# KiCad board Monorail_Steam_Reduced.kicad_pcb (continued)
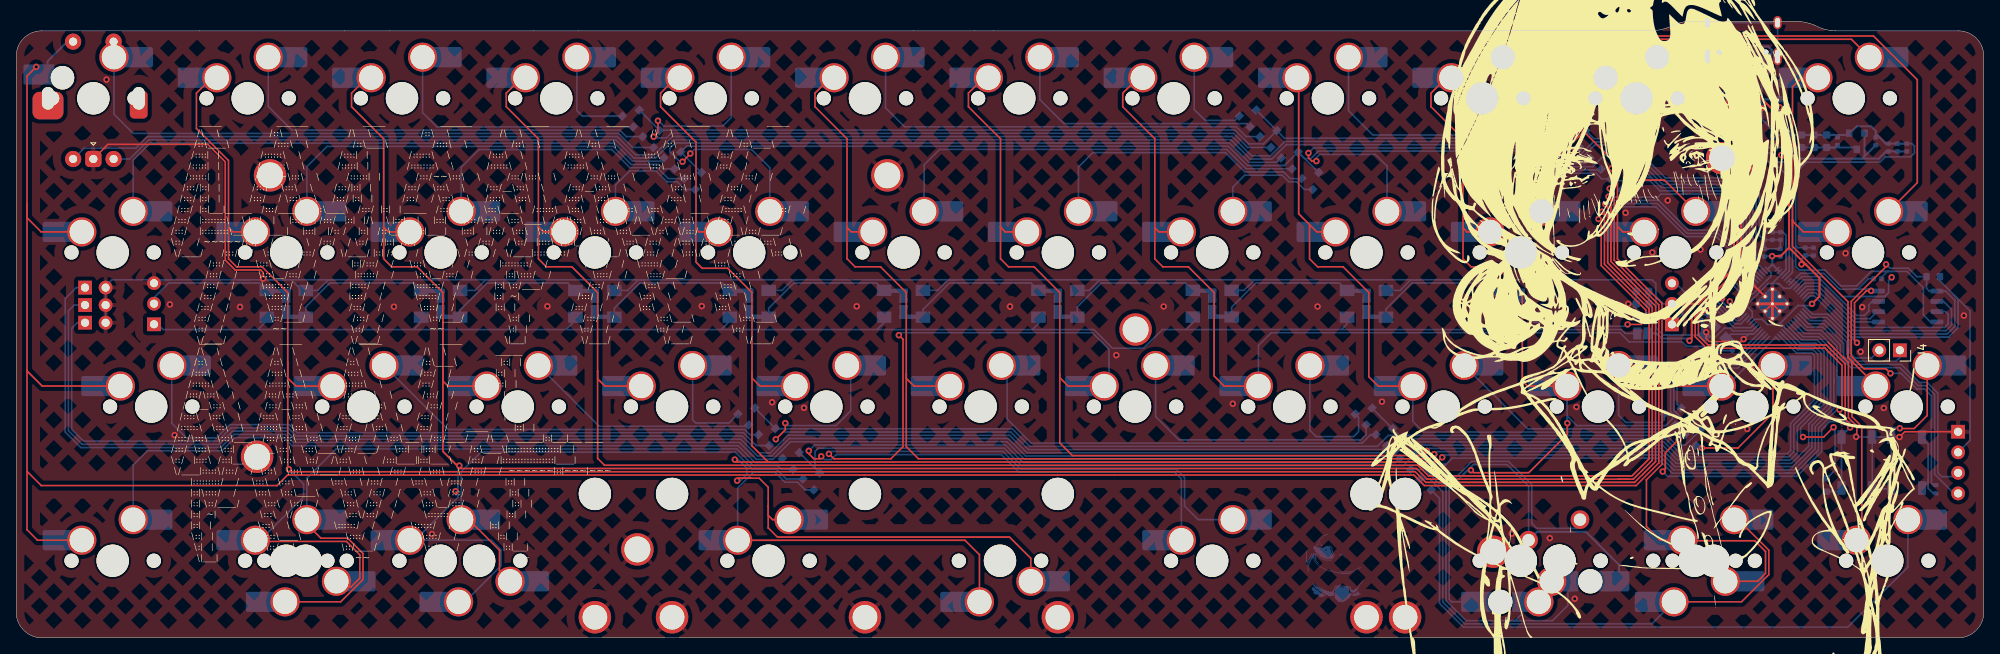
[diagram p0: board, top side]
## Routing (per net, layer and track width the routed paths; a pad name or vN(x,y) marks a point on that pad's centre or on a via; arc(x,y) is an arc through that point) (continued)
+5VD: length 206.3
  Bottom w0.2: 29.86,38.1 23.67,38.1 ; 29.86,38.1 49.06,38.1 ; 29.86,38.1 30.94,39.18 D64.1 ; 23.67,38.1 22.87,38.1 ; 23.67,38.1 18.13,38.1 17.48,38.75 J9.1 ; 49.06,38.1 49.99,39.03 D65.1 ; 49.06,38.1 67.88,38.1 ; D60.1 164.29,38.8 163.59,38.1 ; D63.1 107.14,38.98 106.26,38.1 ; 106.26,38.1 87.03,38.1 ; 106.26,38.1 125.46,38.1 ; D61.1 145.24,38.93 144.41,38.1 ; 163.59,38.1 158.26,38.1 ; 163.59,38.1 182.71,38.1 ; 87.03,38.1 67.88,38.1 ; 87.03,38.1 88.09,39.15 D67.1 ; 190.62,38.1 191.53,38.1 ; 190.62,38.1 198.15,38.1 198.63,37.62 JP1.2 ; 190.62,38.1 182.71,38.1 ; 158.26,38.1 156.22,38.1 ; 158.26,38.1 144.41,38.1 ; D66.1 69.04,39.26 67.88,38.1 ; 182.71,38.1 183.34,38.72 D59.1 ; 125.46,38.1 126.19,38.82 D62.1 ; 125.46,38.1 133.02,38.1 135.33,35.79 139.18,35.79 141.49,38.1 144.41,38.1
GND: length 572.7
  Top w0.2: 225.56,34.64 225.65,34.55 ; 225.56,34.64 223.65,36.55 ; 225.56,34.64 226.17,34.02 226.17,27.2 227.22,26.16 227.22,24.93 v1(227.13,24.84) ; v1(213.24,36.91) 212.96,36.63 208.98,36.63 208.62,36.99 v1(208.62,37.76) ; J8.1 233.13,25.47 v1(232.48,24.82) ; U3.57 U3.57 U3.57 ; SW3.C 11.34,60.99 23.64,60.99 25.81,58.82 25.81,46.67 27.03,45.45 30.18,45.45 30.49,45.14 v1(30.49,44.4)
  Top w0.25: v1(215.46,65.46) 214.94,64.94 214.94,56.72 212.94,54.71 212.94,45.12 U3.57 ; 204.21,41.27 207.65,41.27 212.04,45.67 212.04,55.08 212.61,55.66 ; 212.61,55.66 213.18,56.22 v1(213.18,57.83) ; 212.61,55.66 213.02,56.06
  Top w0.35: U3.57 U3.57 ; U3.57 U3.57
  Bottom w0.2: Y1.4 208.09,37.58 C6.1 ; Y1.4 208.37,37.51 v1(208.62,37.76) ; Y1.4 208.26,37.41 203.3,37.41 202.41,38.3 202.41,42.19 ; 28.75,44.25 27.47,44.25 ; 28.75,44.25 18.92,44.25 ; 28.75,44.25 33.34,44.25 ; 134.79,44.25 153.56,44.25 ; 134.79,44.25 115.94,44.25 ; 134.79,44.25 133.76,44.25 132.45,42.93 D62.3 ; Y1.2 211.52,37.35 211.52,37.35 ; Y1.2 210.85,36.68 210.69,36.68 ; Y1.2 211.7,37.53 214.06,37.53 ; Y1.2 211.73,36.95 C27.2 v1(213.24,36.91) 213.86,37.53 ; U4.4 236.3,39.04 235.42,39.92 235.42,43.26 233.4,45.28 230.19,45.28 ; 115.94,44.25 115.04,44.25 113.73,42.93 D63.3 ; 115.94,44.25 96.33,44.25 ; J6.S1 J6.S1 J6.S1 J6.S1 ; 231.58,45.28 231.01,45.28 ; 231.01,45.28 230.19,45.28 ; 231.01,45.28 230.24,44.52 C28.2 ; 219.66,48.51 219.66,45.89 220.11,45.44 223.3,45.44 225.25,43.48 227.17,43.48 228.97,45.28 230.19,45.28 ; 219.66,48.51 219.66,57.47 220.99,58.79 230.08,58.79 230.73,59.44 233.85,59.44 234.33,59.92 234.33,60.76 234.01,61.07 C21.2 ; 219.66,48.51 219.97,48.21 C25.2 ; 73.84,42.92 75.47,42.92 76.79,44.25 77.66,44.25 ; J9.3 17.43,44.25 18.92,44.25 ; 153.56,44.25 173.32,44.25 ; 153.56,44.25 152.86,44.25 151.56,42.94 D61.3 ; 188.14,42.92 189.46,44.25 190.28,44.25 ; 190.28,44.25 199.08,44.25 ; 190.28,44.25 173.32,44.25 ; 77.66,44.25 59.32,44.25 ; 77.66,44.25 96.33,44.25 ; 229.12,24.71 229.12,18.41 231.46,18.41 231.46,24.71 ; 228.54,24.82 SWR2.1 v1(232.48,24.82) ; 228.54,24.82 227.15,24.82 v1(227.13,24.84) ; 228.54,24.82 SWR1.1 ; 96.33,44.25 95.84,44.25 94.52,42.93 D67.3 ; 199.08,44.25 199.98,43.35 C14.2 C18.2 ; 199.08,44.25 201.92,44.25 202.41,43.76 202.41,42.19 ; C8.2 215.74,49.18 215.18,49.73 215.18,54.97 213.18,56.97 v1(213.18,57.83) ; C8.2 C4.2 C3.2 C7.2 C8.2 ; 173.32,44.25 172.14,44.25 170.82,42.92 169.09,42.92 ; 33.34,44.25 30.65,44.25 v1(30.49,44.4) ; 33.34,44.25 33.97,44.25 ; 214.45,37.53 214.06,37.53 ; 214.45,37.53 213.86,37.53 ; 214.45,37.53 U3.19 ; 214.06,37.53 213.86,37.53 ; 202.41,42.19 203.32,41.27 SWD1.2 ; 59.32,44.25 39.41,44.25 ; 59.32,44.25 57.97,44.25 56.65,42.92 54.79,42.92 ; 18.92,44.25 11.8,44.25 11.04,43.48 J2.2 J1.2 ; 39.41,44.25 38.54,44.25 37.22,42.92 35.29,42.92 33.97,44.25 ; 39.41,44.25 33.97,44.25 ; C13.2 v1(199,41.27)
  Bottom w0.25: 216.28,73.07 209.92,73.07 209.73,72.87 ; 216.28,73.07 216.69,72.66 216.69,71.27 J6.A12 216.35,69.85 215.46,68.95 215.46,66.98 ; 216.28,73.07 217.42,71.93 J6.S1 ; 216.69,62.9 217.44,62.14 217.82,62.14 ; 216.69,62.9 216.96,62.62 C20.2 216.97,62.14 217.82,62.14 ; 216.69,62.9 215.46,64.13 ; 225.26,62.14 226.14,62.14 227.22,63.22 228.97,63.22 229.55,62.64 229.55,62.31 ; 225.26,62.14 226.04,62.14 U2.1 ; 225.26,62.14 C15.2 ; C21.2 C22.2 230.79,61.07 229.55,62.31 ; C15.2 224.53,62.14 C1.2 ; C15.2 C16.2 ; C15.2 217.82,62.14 ; 229.55,62.31 C2.2 ; J6.S1 208.78,71.93 209.73,72.87 ; 215.46,64.13 215.46,64.77 215.46,64.64 ; 215.46,64.13 215.46,66.98 ; 215.46,64.13 215.46,64.64 ; 209.73,72.87 209.51,72.66 209.51,71.27 J6.A1 209.85,67.16 209.24,66.55 R2.1 ; R4.1 215.46,66.55 ; 215.46,66.55 214.63,65.72 U1.2 ; 215.46,66.55 215.46,66.98 ; v1(215.46,65.46) 215.46,64.65 215.46,64.64
  Bottom w0.35: U3.57 U3.57
  vias: v1(11.14,68.99) v1(18.97,41.2) v1(19.55,25.04) v1(27.63,40.89) v1(46.63,40.92) v1(51.33,12.83) v1(65.58,40.97) v1(84.63,41) v1(93.31,29.11) v1(97.25,28.42) v1(103.75,40.97) v1(122.68,40.94) v1(135.81,34.92) v1(141.65,40.94) v1(150.18,28.93) v1(160.65,40.94) v1(168.6,29.18) v1(179.85,40.94) v1(184.62,12.88) v1(189.32,12.32) v1(192.39,4.83) v1(192.6,28.52) v1(196.94,58.01) v1(198.52,31.01) v1(198.67,52.53) v1(200.09,55.8) v1(201.97,47.62) v1(203.87,54.05) v1(207.91,47.98) v1(213.68,25.81) v1(214.29,33.07) v1(225.83,47.52) v1(227.67,35.36) v1(227.88,40.87) v1(230.54,28.4) v1(240.43,39.83)
VCC: length 17
  Top w0.25: v1(210.92,62.92) 211.15,63.15 v1(211.15,65.68) 211.15,69.51 v1(211.13,69.53)
  Bottom w0.25: v1(211.13,69.53) 210.65,70 J6.A4 210.65,71.65 211.49,72.48 214.72,72.48 215.55,71.65 J6.A9 ; F1.2 211.58,62.92 v1(210.92,62.92) ; v1(211.15,65.68) 211.19,65.72 U1.5
COL0: length 365.2
  Top w0.2: MX31.1 3.21,31.11 1.33,32.99 1.33,33.15 ; 202.77,30.73 202.77,21.62 199.96,18.81 175.96,18.81 ; 202.77,30.73 202.77,41.16 197.26,46.67 197.26,54.97 v1(196.71,55.51) ; 202.77,30.73 202.77,31.38 ; 1.33,33.15 1.33,53.7 ; 1.33,33.15 1.33,20.57 ; 1.33,53.7 1.33,69.42 v1(2.48,70.56) ; 1.33,53.7 1.33,51.92 3.09,50.16 MX19.1 ; 1.33,20.57 1.33,13.36 2.63,12.06 MX46.1 ; 1.33,20.57 3.1,18.81 32.19,18.81 33.5,20.12 172.53,20.12 173.84,18.81 175.13,18.81 ; 175.13,18.81 175.64,18.81 ; 175.13,18.81 175.96,18.81 ; 175.96,18.81 176.31,18.81
  Bottom w0.2: v1(196.71,55.51) 197.7,56.5 201.65,56.5 202.91,55.24 212.06,55.24 213.18,54.11 213.18,45.73 U3.37
  Bottom w0.25: MX7.1 3.89,71.26 6.3,73.67 SW3.S2 ; MX7.1 2.48,69.53 v1(2.48,70.56)
COL1: length 334.3
  Top w0.2: 26.21,50.7 26.74,50.16 MX20.1 ; 26.21,50.7 26.21,46.84 27.2,45.85 30.35,45.85 33.52,42.67 33.52,34.09 ; 26.21,50.7 26.21,58.99 22.24,62.95 22.24,67.31 24.15,69.21 MX8.1 ; 196.86,50.93 196.86,54.22 v1(196.56,54.52) ; 196.86,50.93 196.86,46.51 202.37,41 202.37,21.79 199.79,19.21 174.01,19.21 172.69,20.52 33.96,20.52 v1(33.66,20.82) 33.52,20.97 33.52,34.09 ; 196.86,50.93 196.86,51.31 ; 33.52,34.09 33.52,32.11 34.51,31.11 MX32.1 ; MX52.1 29.68,11.91 40.75,11.91 42.42,10.25 42.42,7.38 41.29,6.25 40.26,6.25 MX2.1
  Bottom w0.2: U3.36 212.78,45.56 212.78,53.95 212.25,54.48 ; 212.25,54.48 211.94,54.79 ; 212.25,54.48 211.89,54.84 203.03,54.84 202.66,54.46 196.61,54.46 v1(196.56,54.52) ; MX52.1 30.14,12.06 35.48,17.41 35.48,19.01 v1(33.66,20.82)
COL2: length 313.5
  Top w0.2: 45.36,50.75 45.94,50.16 MX21.1 ; 45.36,50.75 45.36,46.84 46.35,45.85 49.5,45.85 52.67,42.67 52.67,33.32 ; 45.36,50.75 45.36,61.67 41.4,65.63 41.4,67.31 43.3,69.21 43.92,69.21 ; 52.67,33.32 52.67,23.04 ; 52.67,33.32 52.67,31.75 53.31,31.11 MX33.1 ; 52.67,23.04 54.43,21.28 v1(54.7,21.28) ; 52.67,23.04 54.79,20.92 172.86,20.92 174.17,19.61 197.81,19.61 ; 196.46,51.74 196.46,52.37 ; 196.46,51.74 196.46,46.34 201.97,40.83 201.97,21.95 199.63,19.61 197.81,19.61 ; 196.46,51.74 196.46,53.29 v1(196.16,53.59) ; 197.81,19.61 198.96,19.61
  Bottom w0.2: 54.53,19.18 54.53,18.41 54.23,18.12 v1(54.23,18.11) ; 54.53,19.18 54.53,20.68 54.7,20.85 v1(54.7,21.28) ; 54.53,19.18 54.53,17.37 49.22,12.06 MX47.1 58.64,12.06 59.84,10.87 59.84,8.89 55.39,4.44 MX53.2 ; v1(196.16,53.59) 196.63,53.59 197.1,54.06 202.74,54.06 206.43,50.38 210.23,50.38 212.38,48.23 212.38,45.4 U3.35
COL3: length 254.6
  Top w0.2: 64.46,50.8 64.46,46.84 65.45,45.85 68.6,45.85 71.77,42.67 71.77,32.97 ; 64.46,50.8 65.09,50.16 MX22.1 ; 64.46,50.8 64.46,61.67 60.5,65.63 60.5,67.31 62.4,69.21 63.02,69.21 ; MX34.1 72.66,31.11 71.77,32 71.77,32.97 ; 71.77,32.97 71.77,22.17 72.62,21.32 173.02,21.32 174.34,20.01 199.46,20.01 201.57,22.12 201.57,40.66 196.06,46.17 196.06,52.36 v1(195.76,52.65)
  Bottom w0.2: 212.84,44.38 213.15,44.07 ; U3.34 213.15,44.07 ; v1(195.76,52.65) 196.25,52.65 197.26,53.66 202.58,53.66 206.26,49.98 210.06,49.98 211.98,48.06 211.98,45.23 213.15,44.07
COL4: length 278.6
  Top w0.2: v1(88.71,22.02) 89.01,21.72 93.08,21.72 ; 92.83,16.36 92.83,15.14 93.36,14.6 MX45.2 ; 92.83,16.36 92.83,13.59 93.97,12.45 122.62,12.45 125.25,9.82 MX43.1 ; 92.83,16.36 92.83,18.62 91.72,19.72 90.6,19.72 ; MX35.1 91.81,31.11 90.82,32.11 90.82,32.84 ; 90.82,32.84 90.82,42.67 87.83,45.67 84.68,45.67 83.91,46.44 83.91,50.55 ; 90.82,32.84 90.82,23.72 92.82,21.72 93.08,21.72 ; 83.91,50.55 83.91,61.27 79.55,65.63 79.55,67.31 81.45,69.21 82.07,69.21 ; 83.91,50.55 84.29,50.16 MX23.1 ; 90.6,19.72 89.29,19.72 v1(88.99,19.42) 88.99,19.6 89.11,19.72 90.71,19.72 90.6,19.72 ; 93.08,21.72 175.45,21.72 v1(176.03,22.31)
  Bottom w0.2: U3.7 220.74,37.6 222.65,37.6 224.38,35.88 224.38,32.03 ; v1(176.03,22.31) 176.33,22.61 202.74,22.61 204.59,20.76 219.47,20.76 222.07,23.36 222.07,26.07 224.38,28.38 224.38,32.03 ; v1(88.99,19.42) 89.41,19.42 90.19,20.2 90.19,20.97 89.13,22.02 v1(88.71,22.02) ; 224.38,32.03 224.38,31.43
COL5: length 197.1
  Top w0.2: v1(175.05,22.7) 174.47,22.12 111.37,22.12 109.87,23.62 109.87,32.64 ; 102.56,50.7 102.56,46.84 103.55,45.85 106.7,45.85 109.87,42.67 109.87,32.64 ; 102.56,50.7 103.09,50.16 MX24.1 ; 102.56,50.7 102.56,61.67 98.6,65.63 98.6,67.31 100.5,69.21 101.12,69.21 ; 109.87,32.64 109.87,32.05 110.81,31.11 MX36.1
  Bottom w0.2: U3.8 220.58,37.2 222.48,37.2 223.98,35.71 223.98,28.54 221.67,26.24 221.67,23.52 219.31,21.16 204.76,21.16 202.91,23.01 175.36,23.01 v1(175.05,22.7)
COL6: length 288.1
  Top w0.2: 121.51,50.75 122.09,50.16 MX25.1 ; 121.51,50.75 121.51,61.67 117.54,65.63 117.54,67.31 119.45,69.21 120.07,69.21 ; 121.51,50.75 121.51,46.84 122.5,45.85 125.65,45.85 128.82,42.67 128.82,32.64 ; v1(108.96,37.4) 109.47,36.89 109.47,23.63 107.97,22.12 100.93,22.12 v1(100.33,22.73) ; 128.82,32.64 128.82,24.08 130.38,22.52 173.55,22.52 v1(174.14,23.11) ; 128.82,32.64 128.82,32.16 129.86,31.11 MX37.1
  Bottom w0.2: v1(174.14,23.11) 174.44,23.41 203.08,23.41 204.93,21.56 219.14,21.56 221.27,23.69 221.27,26.4 223.58,28.71 223.58,35.55 222.32,36.8 220.41,36.8 U3.9 ; v1(100.33,22.73) 100.63,23.03 121.79,23.03 123.95,20.87 143.17,20.87 144.23,19.81 144.23,16.28 145.9,14.6 MX58.2 ; v1(108.96,37.4) 109.26,37.7 132.85,37.7 134.89,35.66 134.89,31.71 MX37.1
COL7: length 124.6
  Top w0.2: MX38.1 149.12,31.11 147.87,32.36 147.87,42.67 144.7,45.85 141.55,45.85 140.56,46.84 140.56,50.65 ; MX26.1 141.04,50.16 140.56,50.65 ; 139.12,69.21 138.5,69.21 136.59,67.31 136.59,65.63 140.56,61.67 140.56,50.65
  Bottom w0.2: MX38.1 153.35,36.14 154.91,37.7 197.98,37.7 199.12,36.56 205.64,36.56 206.19,36.01 208.12,36.01 209.61,34.53 212.02,34.53 U3.18
COL8: length 111.6
  Top w0.2: 159.66,51.05 158.31,52.4 158.31,69.12 158.22,69.21 ; 159.66,51.05 160.55,50.16 MX27.1 ; 159.66,51.05 159.66,46.84 160.65,45.85 163.8,45.85 166.97,42.67 166.97,32.26 168.12,31.11 MX39.1
  Bottom w0.2: MX39.1 172.4,26.75 173.73,25.43 203.89,25.43 204.14,25.17 204.9,25.17 205.75,26.03 205.75,26.98 205.1,27.64 ; U3.16 212.35,33.73 205.75,33.73 204.63,32.6 204.63,28.11 ; 205.1,27.64 204.63,28.11 ; 205.1,27.64 204.63,28.11
COL9: length 163
  Top w0.2: 178.61,50.65 178.61,46.84 179.6,45.85 182.75,45.85 185.92,42.67 185.92,31.75 186.56,31.11 MX40.1 ; 178.61,50.65 179.09,50.16 MX28.1 ; 178.61,50.65 178.61,61.67 174.64,65.63 174.64,67.31 176.55,69.21 MX16.1 ; v1(191.48,26.52) 191.48,25.17 186.72,20.41 179.88,20.41 v1(179.58,20.71)
  Bottom w0.2: 178.73,20.29 176.9,18.45 176.9,4.77 177.22,4.44 183.2,4.44 ; 178.73,20.29 179.85,21.41 184.04,21.41 186.69,18.76 MX3.1 ; 178.73,20.29 179.16,20.71 v1(179.58,20.71) ; 191.45,27.41 MX40.1 ; 191.45,27.41 192.63,26.23 203.61,26.23 204.46,27.08 204.46,27.7 204.23,27.94 204.23,32.77 205.58,34.13 212.19,34.13 U3.17 ; 191.45,27.41 191.45,26.55 v1(191.48,26.52)
  Bottom w0.25: MX54.1 197.86,9.01 193.77,13.11 187.73,13.11 MX3.1
COL10: length 109.1
  Top w0.2: 203.17,33.07 203.17,21.45 201.24,19.53 201.24,13.77 202.94,12.06 MX57.1 205.81,12 214.62,12 215.94,10.67 215.94,7.98 214.95,6.98 MX1.1 ; 203.17,33.07 203.17,41.33 197.66,46.84 197.66,58.42 193.69,62.38 193.69,69.58 194.62,70.51 194.92,70.51 MX17.1 ; 203.17,33.07 205.12,31.11 MX41.1 ; MX29.1 198.34,50.16 197.66,50.85
  Bottom w0.2: MX41.1 211.14,31.11 217.03,37.01 U3.14
COL11: length 90.4
  Top w0.2: 226.13,35.69 226.13,34.64 ; 226.13,35.69 226.13,34.64 ; 226.13,35.69 226.13,41.53 219.27,48.39 219.27,50.9 ; 226.13,34.64 229.55,31.22 MX42.1 ; 226.13,34.64 226.61,34.16 226.61,27.33 227.83,26.11 227.83,12.72 MX48.1 ; 219.27,50.9 219.27,68.1 220.39,69.21 MX18.1 ; 219.27,50.9 219.27,51.66 219.27,51.51 220.62,50.16 MX30.1
  Bottom w0.2: U3.6 220.91,38 222.82,38 224.78,36.04 224.78,32.34 MX42.1 ; 227.49,31.11 MX42.1
D+: length 17.5
  Bottom w0.25: 212.85,68.25 211.97,67.37 U1.6 ; 212.85,68.25 213.36,68.75 ; 212.85,68.25 J6.A6 ; 213.36,68.75 213.85,69.25 J6.B6 ; 213.36,68.75 213.25,68.65 213.25,60.78 214.12,59.92 R7.2
D-: length 18.5
  Bottom w0.25: R6.2 214.52,58.88 212.8,60.6 212.8,63.95 U1.4 211.01,64.77 210.36,65.42 210.36,66.4 211.26,67.3 211.27,67.3 212.35,68.39 J6.B7 ; 213.36,70.88 213.36,71.9 213.22,72.03 212.46,72.03 212.36,71.93 212.36,70.88
ENC_ROW: length 75.4
  Bottom w0.2: D1.1 76.09,60.6 74.35,62.34 14.43,62.34 12.07,64.71 12.07,71.75
ENCA: length 223.2
  Bottom w0.2: 150.42,61.07 149.95,61.55 81.18,61.55 79.59,59.95 ; 150.42,61.07 151.06,60.44 ; 150.42,61.07 152.33,59.17 155,59.17 156.77,60.94 188.21,60.94 190.14,59.02 192.97,59.02 194.85,60.89 198.39,60.89 203.25,56.04 212.41,56.04 213.98,54.47 213.98,46.06 U3.39 ; 79.59,59.95 79.71,60.08 ; 79.59,59.95 78.93,59.3 76.26,59.3 74.02,61.54 21.63,61.54 ; 21.63,61.54 22.7,61.54 ; 21.63,61.54 16.36,61.54 14,59.17 SW3.B
ENCB: length 227.1
  Bottom w0.2: 81.58,61.95 149.4,61.95 ; 81.58,61.95 81.83,61.95 ; 81.58,61.95 81.02,61.95 79.48,60.42 ; 149.4,61.95 150.11,61.95 152.49,59.57 154.83,59.57 156.61,61.34 188.38,61.34 190.3,59.42 192.81,59.42 194.68,61.29 198.56,61.29 203.41,56.44 212.58,56.44 214.38,54.64 214.38,46.23 U3.40 ; 149.4,61.95 149.55,61.95 ; 79.48,60.42 78.76,59.7 76.43,59.7 74.19,61.94 16.2,61.94 14.76,60.5 8.35,60.5 SW3.A ; 79.48,60.42 79.57,60.51
EXTRA0: length 12.9
  Bottom w0.2: J4.2 229.04,34.58 226.98,34.58 226.38,35.19 226.38,36.71 223.48,39.6 221.57,39.6 U3.2
EXTRA1: length 18.5
  Bottom w0.2: U3.3 221.06,39.55 U3.3 ; U3.3 220.83,39.78 ; U3.3 221.4,39.2 223.31,39.2 225.98,36.54 225.98,35.02 226.82,34.18 232.06,34.18 232.53,34.65 J4.1
LED1: length 252.1
  Bottom w0.2: 92.7,22.87 93.06,22.87 ; 92.7,22.87 93.09,22.87 95.26,25.03 122.62,25.03 124.78,22.87 169.27,22.87 171.01,24.61 203.57,24.61 205.42,22.76 214.9,22.76 218.65,22.76 219.04,23.15 219.04,26.49 219.89,27.35 219.9,27.35 221.98,29.43 221.98,33.27 ; 92.7,22.87 91.68,22.87 89.61,24.94 34.55,24.94 33.56,25.94 26.52,25.94 24.9,24.31 8.3,24.31 6.85,25.76 6.85,38.25 7.54,38.94 J1.1 ; U3.13 219.75,35.2 221.66,35.2 221.98,34.88 221.98,33.27 ; 221.98,33.27 221.98,32.43
LED2: length 260.7
  Bottom w0.2: 219.44,36.64 U3.11 ; 219.44,36.64 220.08,36 221.99,36 222.78,35.21 222.78,33.3 ; 219.44,36.64 219.63,36.46 ; 222.78,33.3 222.78,29.04 219.88,26.14 219.88,22.86 218.98,21.96 205.09,21.96 203.24,23.81 171.34,23.81 169.6,22.07 124.45,22.07 122.29,24.23 95.59,24.23 93.42,22.07 93.11,22.07 ; 222.78,33.3 222.78,32.1 ; J2.1 7.41,43.28 6.05,41.92 6.05,25.43 7.97,23.51 25.23,23.51 26.86,25.14 33.22,25.14 34.22,24.14 89.27,24.14 91.35,22.07 93.11,22.07 ; 93.11,22.07 93.39,22.07
LED3: length 255.9
  Bottom w0.2: 170.72,23.76 169.43,22.47 124.62,22.47 122.45,24.63 95.42,24.63 93.26,22.47 92.96,22.47 ; 170.72,23.76 171.17,24.21 203.41,24.21 205.26,22.36 207.38,22.36 207.38,22.36 218.81,22.36 219.44,22.98 219.44,26.32 222.38,29.26 222.38,35.05 221.82,35.6 219.91,35.6 U3.12 ; 170.72,23.76 171.12,24.15 ; 92.96,22.47 93.23,22.47 ; 92.96,22.47 91.52,22.47 89.44,24.54 34.39,24.54 33.39,25.54 26.69,25.54 25.06,23.91 8.13,23.91 6.45,25.59 6.45,40.42 7.16,41.12 J3.1
QSPI_CLK: length 12.5
  Bottom w0.2: U4.6 229.74,40.31 228.87,39.44 227.04,39.44 222.64,43.84 220.77,43.84 U3.52
QSPI_D0: length 11.8
  Bottom w0.2: U4.5 226.87,39.04 222.47,43.44 220.93,43.44 U3.53
QSPI_D1: length 24.7
  Bottom w0.2: U4.2 237.9,41.58 238.91,40.58 238.91,38.65 238.21,37.95 226.83,37.95 222.14,42.64 221.27,42.64 U3.55
QSPI_D2: length 23.1
  Bottom w0.2: U4.3 238.17,40.31 238.5,39.98 238.5,38.81 238.04,38.35 226.99,38.35 222.31,43.04 221.1,43.04 U3.54
QSPI_D3: length 13.6
  Bottom w0.2: U4.7 229.13,41.58 228.7,41.15 228.7,40.39 228.15,39.84 227.2,39.84 222.8,44.24 220.6,44.24 U3.51
QSPI_SS: length 71.9
  Top w0.2: v1(231.36,32.68) 230.8,33.25 228.09,33.25 226.53,34.8 226.53,41.58 230.82,45.87 v1(230.82,46.15)
  Bottom w0.2: R14.1 236.65,18.87 236.42,19.11 236.42,29.91 235.56,30.76 234.89,30.76 ; 234.89,30.76 234.61,30.76 ; 234.89,30.76 234.6,30.76 232.68,32.68 v1(231.36,32.68) ; v1(230.82,46.15) 231.29,45.68 233.57,45.68 234.62,44.63 R13.2 235.82,43.19 236.16,42.85 U4.1 238.17,42.85 239.31,41.71 239.31,38.49 238.37,37.55 226.66,37.55 221.97,42.24 221.43,42.24 U3.56
RGB: length 53.9
  Top w0.2: v1(195.33,51.75) 195.66,51.42 195.66,46.01 201.17,40.5 201.17,39.29 200.61,38.73 v1(198.92,38.73)
  Bottom w0.2: 198.74,38.73 v1(198.92,38.73) 198.69,38.5 189.26,38.5 D59.4 ; v1(195.33,51.75) 195.92,51.75 197.43,53.26 202.41,53.26 206.09,49.58 209.9,49.58 211.58,47.9 211.58,44.5 U3.32
RGB_OUT: length 15.8
  Bottom w0.2: J9.2 17.01,42.04 18.82,43.85 30.02,43.85 30.94,42.92
ROW0: length 163
  Bottom w0.2: D3.3 153.97,61.04 152.15,61.04 150.44,62.75 79.48,62.75 D1.3 79.42,62.71 D2.3 ; D3.3 D4.3 ; D3.3 156.56,61.74 190.21,61.74 191.36,62.89 191.36,65.06 D5.3 D6.3 194.73,61.69 198.72,61.69 203.58,56.84 212.75,56.84 214.78,54.8 214.78,49.05 ; U3.41 214.78,46.39 214.78,49.05 ; 214.78,49.05 214.78,50.34
ROW1: length 160.6
  Bottom w0.2: 202.42,56.3 203.08,55.64 212.22,55.64 213.58,54.28 213.58,45.9 U3.38 ; 202.42,56.3 198.23,60.49 196.88,60.49 D15.3 194.61,58.22 189.81,58.22 187.88,60.14 160.74,60.14 159.8,59.21 159.07,59.21 D13.3 ; 202.42,56.3 201.81,56.9 199.47,56.9 D18.3 ; D13.3 160.77,57.5 D14.3 ; D13.3 156.56,58.37 152,58.37 149.62,60.75 82.74,60.75 D7.3 D8.3 ; D13.3 158.23,60.44
ROW2: length 147.9
  Bottom w0.2: D10.3 D9.3 93.74,25.83 122.95,25.83 125.11,23.67 168.03,23.67 169.37,25.01 171.27,25.01 ; 213.43,34.24 212.52,33.33 205.92,33.33 205.03,32.44 205.03,28.89 D16.3 D17.3 ; 213.43,34.24 213.25,34.06 ; 213.43,34.24 U3.15 ; 207.61,26.31 D17.3 ; D17.3 206.02,23.81 204.94,23.81 203.74,25.01 171.27,25.01 ; D12.3 D11.3 170.76,25.01 171.27,25.01
ROW3: length 180.9
  Top w0.2: v1(225.07,28.19) 225.37,28.49 225.37,33.69 224.15,34.91 ; 224.15,34.91 223.27,35.79 208.68,35.79 207.26,37.22 207.26,39.65 211.14,43.53 v1(211.57,43.53) ; 224.15,34.91 223.81,35.25
  Bottom w0.2: 176.55,21.49 174.28,21.49 174.06,21.71 ; 176.55,21.49 177.27,22.21 202.58,22.21 204.43,20.36 218.48,20.36 ; 176.55,21.49 175.43,20.37 D21.3 174.06,21.71 ; 218.48,20.36 219.64,20.36 222.15,22.87 ; 218.48,20.36 219.07,20.36 ; v1(211.57,43.53) 211.99,43.53 U3.31 ; 98.62,20.95 98.62,23.03 99.02,23.43 121.95,23.43 124.12,21.27 167.23,21.27 167.23,21.26 171.22,21.26 D22.3 174.06,21.71 ; 98.62,20.95 D20.3 ; 98.62,20.95 D19.3 ; v1(225.07,28.19) 224.76,28.19 222.47,25.91 222.47,23.19 222.15,22.87 ; 222.15,22.87 222.47,23.19
RUN: length 49.4
  Top w0.2: v1(226.38,26) 226.38,26.42 225.77,27.03 225.77,33.86 223.44,36.19 208.84,36.19 207.66,37.38 207.66,39.48 210.15,41.97 v1(210.57,41.97)
  Bottom w0.2: v1(226.38,26) 225.32,24.94 SWR1.2 SWR1.2 224.88,18.07 R5.2 ; U3.26 212.59,39.62 212.49,39.62 211.59,40.53 ; 211.59,40.53 210.57,41.54 v1(210.57,41.97) ; 211.59,40.53 210.34,41.77
SCL: length 34.6
  Bottom w0.2: J8.3 239.25,19.91 237.69,19.91 237.22,20.39 237.22,30.24 235.9,31.56 234.93,31.56 232.71,33.78 226.65,33.78 225.58,34.85 225.58,36.37 223.15,38.8 221.24,38.8 U3.4
SDA: length 35.4
  Bottom w0.2: U3.5 221.07,38.4 222.98,38.4 225.18,36.21 225.18,34.69 226.48,33.38 232.54,33.38 234.76,31.16 235.73,31.16 236.82,30.07 236.82,20.22 239.2,17.85 J8.4
SWCLK: length 12.8
  Bottom w0.2: SWD1.1 205.71,40.06 205.71,41.2 206.38,41.87 209.11,41.87 212.16,38.82 212.92,38.82 U3.24
SWDIO: length 11.1
  Bottom w0.2: U3.25 212.76,39.22 212.32,39.22 209.28,42.27 206.42,42.27 204.87,43.81 SWD1.3
XIN: length 9.6
  Bottom w0.2: U3.20 214.29,37.93 211.92,37.93 211.57,38.28 210.86,38.28 209.43,36.84 209.43,36.24 Y1.3 210.18,35.49 C27.1
XOUT: length 7.9
  Bottom w0.2: R12.2 208.48,41.07 209.35,41.07 212.09,38.33 214.12,38.33 U3.21
Net-(C6-Pad2): length 3.2
  Bottom w0.2: Y1.1 209.57,39.11 C6.2 208.75,39.92 R12.1
Net-(D59-DOUT): length 17
  Bottom w0.2: D60.4 169.09,40.63 172.31,43.85 182.42,43.85 183.34,42.92
Net-(D60-DOUT): length 17.1
  Bottom w0.2: D61.4 150.04,40.86 153.03,43.85 163.37,43.85 164.29,42.92
Net-(D61-DOUT): length 17.1
  Bottom w0.2: D61.2 144.33,43.85 133.93,43.85 130.99,40.91 D62.4
Net-(D62-DOUT): length 16.9
  Bottom w0.2: D63.4 111.94,40.58 115.21,43.85 125.27,43.85 D62.2
Net-(D63-DOUT): length 17
  Bottom w0.2: D67.4 92.89,40.73 96.01,43.85 106.22,43.85 D63.2
Net-(D64-DIN): length 17.1
  Bottom w0.2: D64.4 35.74,40.88 38.7,43.85 49.07,43.85 49.99,42.92
Net-(D65-DIN): length 16.9
  Bottom w0.2: D65.4 54.79,40.5 58.13,43.85 68.12,43.85 69.04,42.92
Net-(D66-DIN): length 17
  Bottom w0.2: D66.4 73.84,40.73 76.96,43.85 87.17,43.85 D67.2
Net-(J6-CC1): length 7.6
  Bottom w0.25: R2.2 209.14,64.9 209.91,65.67 209.91,66.58 211.08,67.75 211.08,67.75 211.85,68.52 J6.A5
Net-(J6-CC2): length 8.1
  Top w0.25: v1(214.52,67.57) 216.54,65.55 v1(217.68,65.55)
  Bottom w0.25: v1(217.68,65.55) R4.2 ; J6.B5 214.85,70.09 214.52,69.75 v1(214.52,67.57)
Net-(MX1-ROW): length 69.8
  Top w0.2: MX1.2 212.98,4.44 216.34,7.81 216.34,10.83 212.57,14.6 MX57.2
  Bottom w0.2: MX1.2 201.9,1.72 178.82,1.72 176.1,4.44 176.1,18.04 174.52,19.62 D21.2
Net-(MX2-ROW): length 90.7
  Top w0.2: MX2.2 40.05,4.44 42.82,7.21 42.82,10.41 40.92,12.31 37.61,12.31 35.88,14.05 MX52.2
  Bottom w0.2: MX52.2 35.88,19.73 39.49,23.34 88.94,23.34 91.02,21.27 93.99,21.27 94.44,20.82 D19.1
Net-(MX3-ROW): length 70.6
  Bottom w0.2: 185.67,2.12 183.7,2.12 185.03,2.12 185.88,2.97 185.88,4.17 MX54.2 ; 185.67,2.12 189.66,2.12 191.55,4.01 191.55,6.81 MX49.1 ; 185.67,2.12 178.98,2.12 176.5,4.6 176.5,18.62 176.94,19.06 ; MX3.2 193.04,13.8 192.77,13.53 187.7,13.53 187.09,14.14 187.09,18.92 184.21,21.81 179.69,21.81 176.94,19.06 ; 176.94,19.06 175.65,19.06 173.89,20.82 D22.1
Net-(MX8-ROW): length 53.9
  Bottom w0.2: D1.2 75.31,61.94 74.52,62.74 34.04,62.74 31.12,65.66 31.12,71.75
Net-(MX9-ROW): length 33.6
  Bottom w0.2: 50.16,71.75 50.16,64.9 51.92,63.14 D2.1
Net-(MX10-ROW): length 12.5
  Bottom w0.2: D2.2 69.89,64.48 69.22,65.15 69.22,71.75
Net-(MX11-ROW): length 96.6
  Top w0.2: v1(78.68,61.93) 79.22,62.46 v1(79.22,63.9)
  Bottom w0.2: v1(78.68,61.93) 78.83,61.78 80.28,61.78 80.85,62.35 150.28,62.35 152.03,60.6 D3.1 ; v1(79.22,63.9) 79.3,63.9 79.96,63.24 87.22,63.24 88.27,64.29 88.27,71.75
Net-(MX12-ROW): length 53.9
  Bottom w0.2: 107.31,71.75 107.31,65.5 109.66,63.15 150.61,63.15 151.82,61.94 D3.2
Net-(MX13-ROW): length 32.6
  Bottom w0.2: D4.1 151.92,63.55 129.33,63.55 126.36,66.52 126.36,71.75
Net-(MX14-ROW): length 12.8
  Bottom w0.2: D4.2 150.46,63.95 146.76,63.95 145.41,65.3 145.41,71.75
Net-(MX15-ROW): length 34.3
  Bottom w0.2: 164.47,71.75 164.47,65.14 167.47,62.14 188.53,62.14 189.51,63.12 189.51,63.14 D5.1
Net-(MX16-ROW): length 15.3
  Bottom w0.2: 183.51,71.75 183.51,64.28 185.25,62.54 188.37,62.54 189.11,63.29 D5.2
Net-(MX17-ROW): length 23.1
  Top w0.2: 202.56,71.75 200.75,73.57 197.12,73.57 193.29,69.75 193.29,62.35 191.92,60.97 v1(191.92,60.12)
  Bottom w0.2: v1(191.92,60.12) 192.52,60.12 D6.1
Net-(MX18-ROW): length 51.2
  Top w0.2: v1(190.92,60.12) 190.9,60.13 190.9,60.52 192.89,62.52 192.89,69.91 196.95,73.97 226.54,73.97 228.76,71.75
  Bottom w0.2: D6.2 191.65,60.85 v1(190.92,60.12)
Net-(MX19-ROW): length 74.1
  Bottom w0.2: D7.2 79.54,58.9 77.92,58.9 ; 77.92,58.9 76.1,58.9 73.85,61.14 16.53,61.14 14.45,59.06 MX19.2 ; 77.92,58.9 78.17,58.9
Net-(MX20-ROW): length 53.1
  Bottom w0.2: MX20.2 35.88,58.24 38.38,60.74 73.69,60.74 75.93,58.5 79.32,58.5 79.86,57.96 D7.1
Net-(MX21-ROW): length 35.4
  Bottom w0.2: D8.2 80.49,56.76 79.15,58.1 75.76,58.1 73.52,60.34 57.13,60.34 54.93,58.13 MX21.2
Net-(MX22-ROW): length 14.8
  Bottom w0.2: D8.1 82.54,55.42 81.6,56.36 80.32,56.36 78.99,57.7 75.72,57.7 73.98,55.95 MX22.2
Net-(MX23-ROW): length 97.2
  Top w0.2: v1(82.25,58.84) 83.21,59.8 v1(83.21,59.85)
  Bottom w0.2: MX23.2 93.03,58.1 90.77,60.35 83.71,60.35 v1(83.21,59.85) ; D13.2 155.62,58.77 152.16,58.77 149.78,61.15 81.35,61.15 80.71,60.52 80.71,60.05 81.92,58.84 v1(82.25,58.84)
Net-(MX24-ROW): length 52.9
  Bottom w0.2: D13.1 157.48,57.97 151.83,57.97 149.45,60.35 113.99,60.35 112.08,58.44 MX24.2
Net-(MX25-ROW): length 35.1
  Bottom w0.2: D14.2 157.27,56.76 156.46,57.57 151.67,57.57 149.28,59.95 132.89,59.95 131.13,58.19 MX25.2
Net-(MX26-ROW): length 14.2
  Bottom w0.2: MX26.2 150.18,55.7 151.65,57.17 156.29,57.17 157.1,56.36 158.05,56.36 158.99,55.42 D14.1
Net-(MX27-ROW): length 53.3
  Top w0.2: v1(160.5,58.91) 159.93,58.91 159.53,59.31 v1(159.53,59.92)
  Bottom w0.2: v1(159.53,59.92) 160.15,60.54 188.05,60.54 189.97,58.62 193.66,58.62 D15.2 ; MX27.2 169.23,58.3 167.78,59.74 160.9,59.74 160.5,59.34 v1(160.5,58.91)
Net-(MX28-ROW): length 11.6
  Bottom w0.2: MX28.2 188.28,56.25 189.84,57.82 195.55,57.82 D15.1
Net-(MX29-ROW): length 11.2
  Top w0.2: v1(198.72,55.8) 199.48,56.57 203.47,56.57 MX29.2
  Bottom w0.2: v1(198.72,55.8) 198.62,55.8 D18.1
Net-(MX30-ROW): length 88.4
  Top w0.2: v1(189.01,56) 189.01,59.2 192.49,62.68 192.49,70.08 196.79,74.37 229.27,74.37 234.68,68.97 234.68,56.24 MX30.2
  Bottom w0.2: D18.2 195.73,56.71 195.02,57.42 190.01,57.42 189.01,56.42 v1(189.01,56)
Net-(MX31-ROW): length 83.4
  Bottom w0.2: D9.1 91.35,23.77 89.77,25.34 34.72,25.34 33.72,26.34 26.36,26.34 24.73,24.71 21.01,24.71 19.21,26.51 MX31.2
Net-(MX32-ROW): length 49.8
  Bottom w0.2: D9.2 90.57,25.11 89.94,25.74 53.31,25.74 MX32.2
Net-(MX33-ROW): length 29.2
  Bottom w0.2: D10.1 90.27,26.14 71.96,26.14 MX33.2
Net-(MX34-ROW): length 12.9
  Bottom w0.2: D10.2 87.98,26.54 83.89,26.54 83.5,26.93 MX34.2
Net-(MX35-ROW): length 94.1
  Top w0.2: v1(94.94,26.53) 94.94,25.7 v1(93.77,24.54)
  Bottom w0.2: v1(93.77,24.54) 94.67,25.43 122.78,25.43 124.95,23.27 168.67,23.27 D11.1 ; MX35.2 103.02,33.19 103.02,28.04 101.21,26.23 95.24,26.23 v1(94.94,26.53)
Net-(MX36-ROW): length 54.1
  Bottom w0.2: D11.2 167.2,25.11 166.15,24.07 125.28,24.07 122.32,27.03 122.32,32.94 MX36.2
Net-(MX37-ROW): length 35
  Bottom w0.2: MX37.2 140.65,27.34 143.52,24.47 165.99,24.47 166.63,25.11 D12.1
Net-(MX38-ROW): length 16.9
  Bottom w0.2: MX38.2 159.7,25.63 160.47,24.87 165.09,24.87 165.7,25.48 165.7,27.24 D12.2
Net-(MX39-ROW): length 29.5
  Bottom w0.2: D16.1 204.3,25.83 186.58,25.83 MX39.2
Net-(MX40-ROW): length 13
  Bottom w0.2: D16.2 203.44,26.95 203.12,26.63 198.69,26.63 197.81,27.5 197.81,30.18 197.8,30.18 MX40.2
